# Altium PCB DRS4-PCB.PcbDoc (part 8 of 15)
Units mil, origin at the board's own origin, x right, y up, seen from the top; angles counter-clockwise.
Board outline 12350 x 7411.06 mil, 12 copper layers (Top Layer, Ground Layer 2, Signal Layer 3, Signal Layer 4, Ground Layer 5, Power Layer 6, Ground Layer 7, Ground Layer 8, Power Layer 9, Power Layer 10, Ground Layer 11, Bottom Layer), stack 61.6 mil thick; 1264 components, 1069 nets, 3958 pads, 2329 vias.
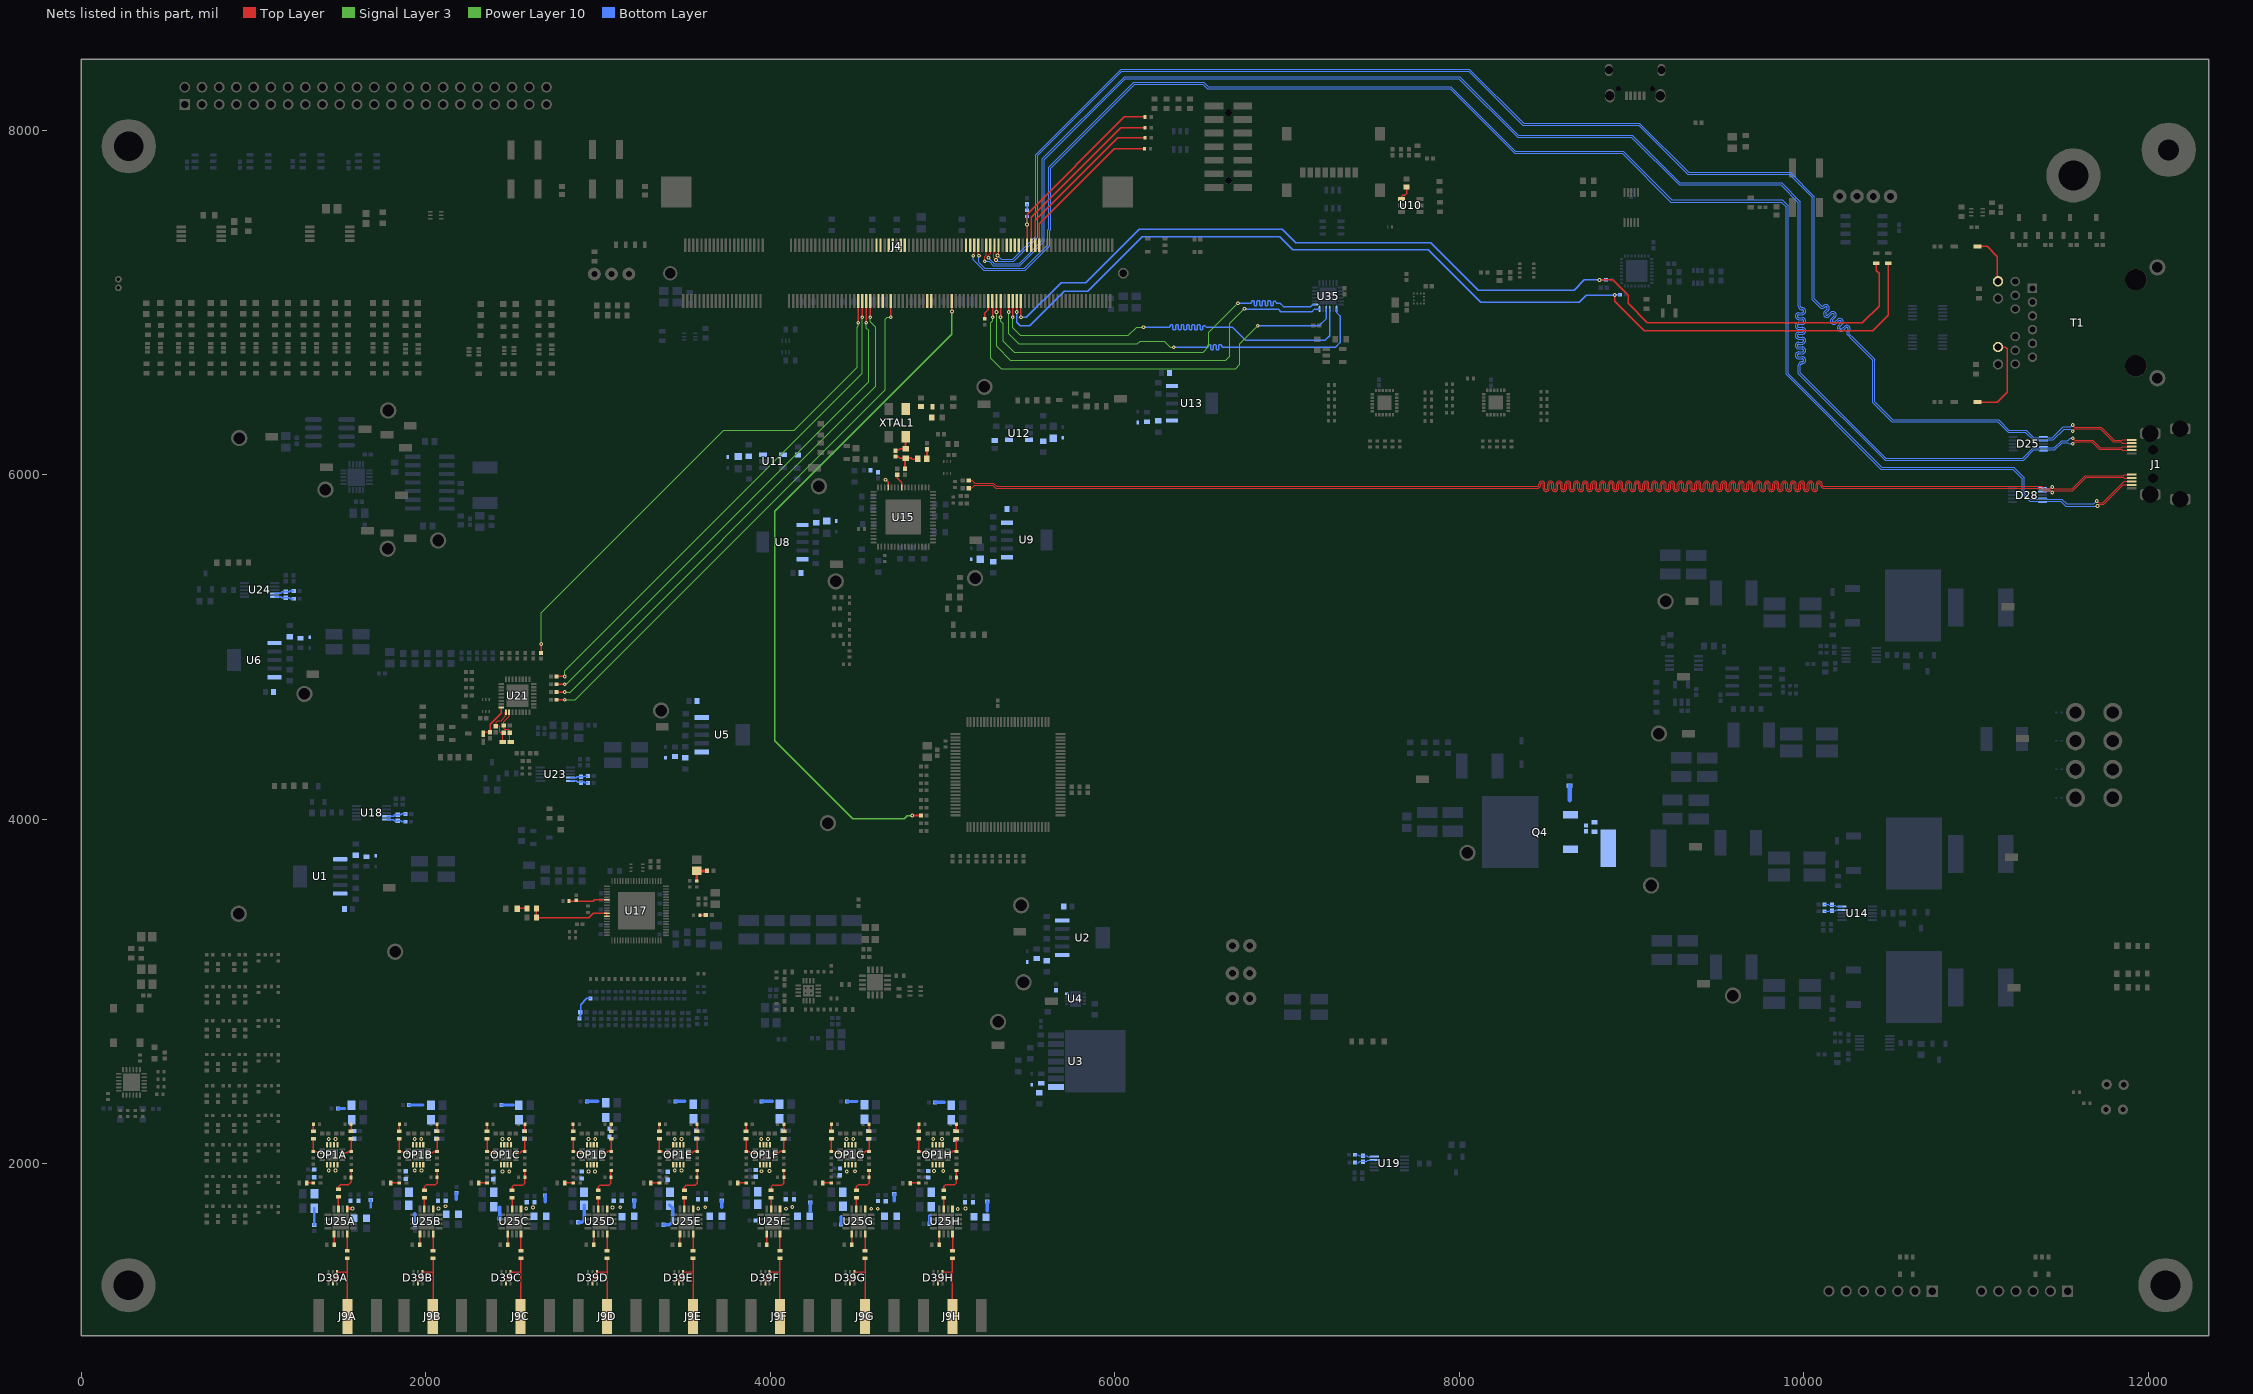
[diagram p18: the nets of this part, all layers, seen from the top]

## Via types
v1: diameter 21.65, hole 10, Top Layer to Bottom Layer, 2294 vias
v2: diameter 25, hole 15, Top Layer to Bottom Layer, 16 vias
v3: diameter 19, hole 8, Top Layer to Bottom Layer, 12 vias
v4: diameter 40, hole 28, Top Layer to Bottom Layer, 3 vias
v5: diameter 30, hole 20, Top Layer to Bottom Layer, 2 vias
v6: diameter 27.56, hole 10, Top Layer to Bottom Layer, 1 vias
v7: diameter 18, hole 10, Top Layer to Bottom Layer, 1 vias

## Nets (pads, with @x,y where several pads share a name; then routed paths per layer and width w, separated by ;. In a path a pad name is that pad's centre, name@x,y a point inside that pad or via, vN(x,y) a via of type N, cw(c..) or ccw(c..) an arc to the next point about the centre after c; other vN are vias at no path point) (continued)
IO_B35_L3_N: D25.1 J1.10 J4.144 | length 9080.7
  Top Layer w5.08: v1(5318,7273) 5321.17,7276.17 5321.17,7282.98 5325.17,7286.98 5325.17,7330.36 J4.144@5324.41,7331.12 ; v1(11561.11,6288) 11561.11,6287.94 11573.52,6275.54 11725.79,6275.54 11801.29,6200.04 11843.04,6200.04 11847,6204 J1.10@11890,6204
  Bottom Layer w6.73: v1(5318,7273) 5340,7251 5407.41,7251 5540.27,7383.86 5540.27,7858.86 6036.14,8354.73 8058.45,8354.73 8372.19,8041 9044.59,8041 9330.16,7755.44 9919.56,7755.44 10060,7615 10060,7021 10094,6987 10100.5,6980.5 ccw(c10106.44,6986.39) 10112.38,6980.49 10115.16,6983.27 10115.4,6983.27 cw(c10127.66,6967.34) 10141.87,6981.56 cw(c10127.66,6967.34) 10141.85,6953.11 10127.9,6939.16 ccw(c10133.78,6933.21) 10127.85,6927.31 ; 10127.88,6927.28 ccw(c10133.78,6933.21) 10139.7,6927.3 ; 10139.73,6927.33 10155.42,6943.02 10155.66,6943.02 cw(c10167.91,6927.09) 10182.13,6941.3 cw(c10167.91,6927.09) 10182.11,6912.86 10168.16,6898.91 ccw(c10174.04,6892.96) 10168.11,6887.06 ; 10168.14,6887.03 ccw(c10174.04,6892.96) 10179.96,6887.04 ; 10179.98,6887.07 10195.68,6902.76 10195.92,6902.76 cw(c10208.17,6886.83) 10222.38,6901.04 cw(c10208.17,6886.83) 10222.36,6872.6 10208.42,6858.65 ccw(c10214.3,6852.7) 10208.37,6846.8 ; 10208.4,6846.77 ccw(c10214.3,6852.7) 10220.21,6846.79 ; 10220.24,6846.81 10235.93,6862.51 10236.17,6862.51 cw(c10248.43,6846.57) 10262.64,6860.79 cw(c10248.43,6846.57) 10262.62,6832.34 10261.58,6831.31 ; 10261.57,6819.43 cw(c10267.47,6825.36) 10261.57,6831.29 ; 10261.58,6819.42 10286.64,6794.36 10293.18,6787.82 10411.39,6669.61 10411.39,6423.3 10514.95,6319.73 11129.86,6319.73 11190.16,6259.44 11290.56,6259.44 11335.61,6214.39 11364.58,6214.39 11368.55,6218.37 D25.1@11390.6,6218.37 11412.64,6218.37 11416.62,6214.39 11442.51,6214.39 11505.12,6277 11550.11,6277 v1(11561.11,6288)
IO_B35_L3_P: D25.2 J1.9 J4.142 | length 9115
  Top Layer w5.08: J4.142@5300.79,7331.12 5300.15,7330.48 5300.15,7286.98 5296.33,7283.15 5296.33,7260.19 v1(5310.08,7246.44) ; v1(11561,6253) 11561.06,6253 11573.52,6265.46 11721.61,6265.46 11797.11,6189.96 11842.04,6189.96 11848,6184 J1.9@11890,6184
  Bottom Layer w6.73: v1(5310.08,7246.44) 5310.08,7245.76 5316.57,7239.27 5412.27,7239.27 5552,7379 5552,7854 6041,8343 8053.59,8343 8367.33,8029.27 9039.73,8029.27 9325.3,7743.7 9914.7,7743.7 10048.27,7610.14 10048.27,7016.14 10085.7,6978.7 10092.2,6972.21 ; 10092.24,6972.16 ccw(c10106.44,6986.39) 10120.67,6972.19 10121.71,6973.23 ; 10121.73,6973.24 cw(c10127.66,6967.34) 10133.55,6973.28 ; 10133.55,6961.4 10117.85,6945.71 10117.85,6945.47 ccw(c10133.78,6933.21) 10148.02,6919.02 ; 10133.57,6961.43 ccw(c10127.66,6967.34) 10133.6,6973.24 ; 10148.02,6919.03 10161.96,6932.97 ; 10161.98,6932.99 cw(c10167.91,6927.09) 10173.81,6933.03 ; 10173.8,6921.14 10158.11,6905.45 10158.11,6905.21 ccw(c10174.04,6892.96) 10188.27,6878.76 ; 10173.83,6921.17 ccw(c10167.91,6927.09) 10173.85,6932.98 ; 10188.28,6878.77 10202.22,6892.71 ; 10202.24,6892.73 cw(c10208.17,6886.83) 10214.06,6892.77 ; 10214.06,6880.89 10198.37,6865.2 10198.37,6864.96 ccw(c10214.3,6852.7) 10228.53,6838.51 10242.48,6852.46 cw(c10248.43,6846.57) 10254.32,6852.51 ; 10214.09,6880.92 ccw(c10208.17,6886.83) 10214.11,6892.72 ; 10254.32,6840.63 10253.27,6839.59 ccw(c10267.47,6825.36) 10253.27,6811.13 10278.34,6786.06 10284.89,6779.52 10399.65,6664.75 10399.65,6418.44 10510.09,6308 11125,6308 11185.3,6247.7 11285.7,6247.7 11330.75,6202.66 11364.58,6202.66 11368.55,6198.69 D25.2@11390.6,6198.69 11412.64,6198.69 11416.62,6202.66 11447.37,6202.66 11509.98,6265.27 11548.73,6265.27 v1(11561,6253) ; 10254.34,6840.66 ccw(c10248.43,6846.57) 10254.37,6852.47
IO_B35_L5_N: D25.4 J1.8 J4.140 | length 9401.3
  Top Layer w5.08: v1(5266,7259) 5266,7274.29 5278,7286.29 J4.140@5278,7313 ; v1(11561.11,6211) 11572.07,6200.04 11676.21,6200.04 11719.25,6157 11843,6157 11849,6163 J1.8@11896,6163
  Bottom Layer w6.73: v1(5266,7259) 5300,7225 5444,7225 5579.27,7360.27 5579.27,7834.27 6056,8311 8002.33,8311 8342.33,7971 9003,7971 9280,7694 9871,7694 9980,7585 9980,6987 9980,6977.77 ccw(c9988.37,6977.77) 9988.37,6969.4 9989.9,6969.4 cw(c9989.9,6949.3) 9989.9,6929.2 9970.1,6929.2 ccw(c9970.1,6920.84) 9970.1,6912.47 9989.9,6912.47 cw(c9989.9,6892.37) 9989.9,6872.27 9970.1,6872.27 ccw(c9970.1,6863.9) 9970.1,6855.54 9989.9,6855.54 cw(c9989.9,6835.44) 9989.9,6815.34 9970.1,6815.34 ccw(c9970.1,6806.97) 9970.1,6798.61 9989.9,6798.61 cw(c9989.9,6778.51) 9989.9,6758.41 9970.1,6758.41 ccw(c9970.1,6750.04) 9970.1,6741.68 9989.9,6741.68 cw(c9989.9,6721.58) 9989.9,6701.48 9970.1,6701.48 ccw(c9970.1,6693.11) 9970.1,6684.74 9989.9,6684.74 cw(c9989.9,6664.65) 9989.9,6644.55 9988.37,6644.55 ccw(c9988.37,6636.18) 9980,6636.18 9980,6603 9980,6592 10475.7,6096.3 11271.7,6096.3 11330.75,6155.34 11364.58,6155.34 11368.55,6159.31 D25.4@11390.6,6159.31 11412.64,6159.31 11416.62,6155.34 11452.75,6155.34 11495.64,6198.23 11532.83,6198.23 11545.6,6211 v1(11561.11,6211)
IO_B35_L5_P: D25.5 J1.7 J4.138 | length 9435.9
  Top Layer w5.08: v1(5244,7239.27) 5244,7265.46 5254,7275.46 J4.138@5254,7313 ; v1(11561.11,6179) 11572.07,6189.96 11672.04,6189.96 11715.08,6146.92 11844.08,6146.92 11848,6143 J1.7@11896,6143
  Bottom Layer w6.73: v1(5244,7239.27) 5269.14,7239.27 5295.14,7213.27 5448.86,7213.27 5591,7355.41 5591,7829.41 6060.86,8299.27 7997.47,8299.27 8337.47,7959.27 8998.14,7959.27 9275.14,7682.27 9866.14,7682.27 9968.27,7580.14 9968.27,6987 9968.27,6977.77 ccw(c9988.37,6977.77) 9988.37,6957.67 9989.9,6957.67 cw(c9989.9,6949.3) 9989.9,6940.93 9970.1,6940.93 ccw(c9970.1,6920.84) 9970.1,6900.74 9989.9,6900.74 cw(c9989.9,6892.37) 9989.9,6884 9970.1,6884 ccw(c9970.1,6863.9) 9970.1,6843.81 9989.9,6843.81 cw(c9989.9,6835.44) 9989.9,6827.07 9970.1,6827.07 ccw(c9970.1,6806.97) 9970.1,6786.87 9989.9,6786.87 cw(c9989.9,6778.51) 9989.9,6770.14 9970.1,6770.14 ccw(c9970.1,6750.04) 9970.1,6729.94 9989.9,6729.94 cw(c9989.9,6721.58) 9989.9,6713.21 9970.1,6713.21 ccw(c9970.1,6693.11) 9970.1,6673.01 9989.9,6673.01 cw(c9989.9,6664.65) 9989.9,6656.28 9988.37,6656.28 ccw(c9988.37,6636.18) 9968.27,6636.18 9968.27,6603 9968.27,6587.14 10470.84,6084.56 11276.56,6084.56 11335.61,6143.61 11364.58,6143.61 11368.55,6139.63 D25.5@11390.6,6139.63 11412.64,6139.63 11416.62,6143.61 11457.61,6143.61 11500.5,6186.5 11532.5,6186.5 11540,6179 v1(11561.11,6179)
IO_B35_L6_N: D28.4 J1.3 J4.134 | length 9200.4
  Top Layer w5.08: J4.134@5206,7317 5206,7275.9 5210.9,7271 v1(5210.98,7271) ; v1(11699.4,5847) 11701.33,5847 11710.66,5837.67 11735.67,5837.67 11858.62,5960.62 J1.3@11903.7,5960.62
  Bottom Layer w6.73: v1(5210.98,7271) 5210.98,7232.02 5244,7199 5475,7199 5610.27,7334.27 5610.27,7420.08 5617.27,7427.08 5617.27,7783.86 6110.41,8277 6516,8277 6541,8252 7950.59,8252 8324.86,7877.73 8949.86,7877.73 9232.86,7594.73 9874.18,7594.73 9908,7560.92 9908,6587 10450.7,6044.3 11217.62,6044.3 11280,5981.92 11280,5893.34 11315,5858.34 11359.58,5858.34 11363.55,5862.31 D28.4@11385.6,5862.31 11407.64,5862.31 11411.62,5858.34 11496.42,5858.34 11524.76,5830 11682.4,5830 v1(11699.4,5847)
IO_B35_L6_P: D28.5 J1.4 J4.132 | length 9218.4
  Top Layer w5.08: v1(5178.15,7271) 5178.24,7271 5183,7275.76 J4.132@5183,7317 ; v1(11704.06,5818.27) 11706,5818.27 11715.32,5827.6 11739.85,5827.6 11854.25,5942 11902.64,5942 J1.4@11903.7,5940.94
  Bottom Layer w6.73: v1(5178.15,7271) 5178.15,7248.26 5239.14,7187.27 5479.86,7187.27 5622,7329.41 5622,7415.22 5629,7422.22 5629,7779 6115.27,8265.27 6511.14,8265.27 6536.14,8240.27 7945.73,8240.27 8320,7866 8945,7866 9228,7583 9869.32,7583 9896.27,7556.06 9896.27,6582.14 10445.84,6032.56 11212.76,6032.56 11268.27,5977.06 11268.27,5888.48 11310.14,5846.61 11359.58,5846.61 11363.55,5842.63 D28.5@11385.6,5842.63 11407.64,5842.63 11411.62,5846.61 11491.56,5846.61 11519.9,5818.27 v1(11704.06,5818.27)
IO_B35_L7_M19_P: J4.79 R146.2 | length 3012.7
  Top Layer w7.87: R146.2@2759.25,4783.3 v1(2805.58,4783.3) ; v1(4556.77,6881.89) J4.79@4556.76,7008.12
  Power Layer 10 w6.88: v1(2805.58,4783.3) 2814.53,4783.3 4569.95,6538.73 4569.95,6837.24 4556.77,6850.42 v1(4556.77,6881.89)
IO_B35_L7_M20_N: J4.81 R145.2 | length 3093.7
  Top Layer w7.87: R145.2@2759.25,4738.02 v1(2805.58,4738.02) ; v1(4580.39,6913.39) J4.81@4580.38,7008.12
  Power Layer 10 w6.88: v1(2805.58,4738.02) 2837.37,4738.02 4608.82,6509.46 4608.82,6858.24 4580.39,6886.67 v1(4580.39,6913.39)
IO_B35_L9_L19_P: J4.91 R144.2 | length 3193.3
  Top Layer w7.87: R144.2@2759.25,4692.73 v1(2805.58,4692.73) ; v1(4698.5,6913.39) J4.91@4698.48,7008.12
  Power Layer 10 w6.88: v1(2805.58,4692.73) 2867.49,4692.73 4667.61,6492.86 4667.61,6901.7 4679.3,6913.39 v1(4698.5,6913.39)
IO_B35_L11_SRCC_L16_P: J4.128
IO_B35_L11_SRCC_L17_N: J4.130
IO_B35_L13_MRCC_H16_P: J4.85
IO_B35_L13_MRCC_H17_N: J4.87
IO_B35_L15_AD12_F20_N: J4.121 R87.1 | length 4030.8
  Top Layer w9.8: J4.121@5052.78,7008.12 5051.06,7009.83 5053.69,7012.46 v1(5053.69,6947.36)
  Top Layer w10: v1(4823.04,4021.49) R87.1@4873.15,4021.49
  Power Layer 10 w8: v1(4823.04,4021.49) 4794.5,4021.49 4776.44,4003.43 4478.15,4003.43 4025.76,4455.82 4025.76,5534.04 4025.76,5787.96 5053.69,6815.89 v1(5053.69,6947.36)
IO_B35_L17_AD5_H20_N: J4.111
IO_B35_L17_AD5_J20_P: J4.109
IO_B35_L20_AD6_J14_N: J4.98
IO_B35_L20_AD6_K14_P: J4.96
IO_B35_L21_N15_P: J4.75 R149.2 | length 3044
  Top Layer w7.87: R149.2@2668.72,4965.58 2668.72,5015.88 v1(2669.88,5017.04) ; v1(4509.53,6881.89) J4.75@4509.52,7008.12
  Power Layer 10 w6.88: v1(2669.88,5017.04) 2669.88,5197.6 3729.53,6257.26 4137.46,6257.26 4502.86,6622.66 4502.86,6857.17 4509.53,6863.84 v1(4509.53,6881.89)
IO_B35_L21_N16_N: J4.77 R148.2 | length 2936.4
  Top Layer w7.87: R148.2@2759.25,4828.59 v1(2805.58,4828.59) ; v1@4533.15,6913.39 J4.77@4533.15,7008.1
  Power Layer 10 w6.88: v1(2805.58,4828.59) 2805.58,4861.48 4533.15,6589.05 v1@4533.15,6908.35
  other v1: 4533.15,6913.39
IO_B35_L22_AD7_L14_P: J4.90
IO_B35_L22_AD7_L15_N: J4.92
IO_B35_L23_M14_P: J4.84
IO_B35_L23_M15_N: J4.86
IO_MIO40_B13_L16_W10: J4.139 R36.1 | length 111.5
  Top Layer w8.72: R36.1@5243.98,6905.5 5243.97,6938.09 5265.37,6959.49 J4.139@5265.36,7008.12
IO_MIO41_B13_L16_W9: J4.141 U35.4 | length 2555.9
  Top Layer w8.72: J4.141@5289.23,7007.79 5289.6,7007.42 5289.6,6914.07 v1(5290.21,6913.46)
  Signal Layer 3 w4.8: v1(5290.21,6913.46) 5290.85,6912.82 5290.85,6893.04 5279.89,6882.07 5279.89,6675.97 5340.29,6615.57 6701.02,6615.57 6725.73,6640.28 6725.73,6759.98 6829.05,6863.3 v1(6829.05,6864)
  Bottom Layer w8.72: v1(6829.05,6864) 7184,6864 7227.6,6907.6 U35.4@7227.6,6962.19
IO_MIO42_B13_L18_W11: J4.143 U35.6 | length 2424.4
  Top Layer w8.72: v1@5312.5,6945 5312.61,6945.11 J4.143@5312.6,7008.12
  Signal Layer 3 w4.8: v1(5312.83,6945) 5312.83,6744.93 5393.86,6663.91 6644.57,6663.91 6667.01,6686.34 6667.01,6879.01 v1(6752,6964)
  Bottom Layer w8.72: v1(6752,6964) 6754.79,6961.21 6948.22,6961.21 6963.23,6946.2 7143.41,6946.2 7156.61,6959.41 7187.32,6959.41 7188.23,6960.32 U35.6@7188.23,6962.19
IO_MIO43_B13_L18_Y11: J4.145 U35.7 | length 2471.4
  Top Layer w8.72: v1@5336.47,6913.07 J4.145@5336.47,7007.79
  Signal Layer 3 w4.8: v1(5336.46,6913.74) 5336.46,6891.66 5350.8,6877.31 5350.8,6775.87 5414.96,6711.72 6513.08,6711.72 6546.24,6744.89 6546.24,6827.7 v1(6714,6995.46)
  Bottom Layer w8.72: v1(6714,6995.46) 6784,6995.46 6788.36,6995.46 6793.47,7000.57 6793.47,7006.53 6797.39,7010.46 6805.25,7010.46 6809.18,7006.53 6809.18,6984.39 6813.11,6980.46 6820.97,6980.46 6824.9,6984.39 6824.9,7006.53 6828.83,7010.46 6836.69,7010.46 6840.62,7006.53 6840.62,6984.39 6844.55,6980.46 6852.4,6980.46 6856.33,6984.39 6856.33,7006.53 6860.26,7010.46 6868.12,7010.46 6872.05,7006.53 6872.05,6984.39 6875.98,6980.46 6883.84,6980.46 6887.77,6984.39 6887.77,7006.53 6891.7,7010.46 6899.56,7010.46 6903.48,7006.53 6903.48,6984.39 6907.41,6980.46 6915.27,6980.46 6919.2,6984.39 6919.2,7003.16 6923.13,7007.09 6930.99,7007.09 6934.92,7003.16 6934.92,7000.57 6940.02,6995.46 6959.03,6995.46 6978.08,6976.41 7136.95,6976.41 7148.33,6987.79 U35.7@7162.64,6987.79
IO_MIO44_B13_L14_SRCC_Y9: J4.149 U35.1 | length 2496.1
  Top Layer w8.72: v1@5383.47,6945 J4.149@5383.46,7008.12
  Signal Layer 3 w4.8: v1(5383.7,6945) 5383.7,6816.87 5440.92,6759.65 6130.48,6759.65 6146.71,6775.87 6286.03,6775.87 6322.47,6739.44 v1(6341.78,6739.44)
  Bottom Layer w8.72: v1@6341.78,6740.11 6482.43,6740.11 6531,6740.11 6535.36,6740.11 6540.47,6745.22 6540.47,6751.19 6544.39,6755.11 6552.25,6755.11 6556.18,6751.19 6556.18,6729.04 6560.11,6725.11 6567.97,6725.11 6571.9,6729.04 6571.9,6751.19 6575.83,6755.11 6583.69,6755.11 6587.62,6751.19 6587.62,6729.04 6591.55,6725.11 6599.4,6725.11 6603.33,6729.04 6603.33,6751.19 6607.26,6755.11 6615.12,6755.11 6619.05,6751.19 6619.05,6745.22 6624.16,6740.11 6704.04,6740.11 7280.47,6740.11 7307.09,6766.73 7307.09,6921.66 7286.87,6941.88 7286.87,6961.98 U35.1@7286.65,6962.19
IO_MIO45_B13_L14_Y8: J4.151 U35.3 | length 2540.3
  Top Layer w8.72: v1@5407.33,6913.07 J4.151@5407.33,7007.79
  Signal Layer 3 w4.8: v1(5407.32,6913.74) 5407.32,6852.37 5451.09,6808.61 6078.61,6808.61 6125.52,6855.52 v1(6166.15,6855.52)
  Bottom Layer w8.72: v1(6166.15,6855.52) 6312.04,6855.52 6316.4,6855.52 6321.51,6860.63 6321.51,6866.59 6325.44,6870.52 6333.3,6870.52 6337.22,6866.59 6337.22,6844.45 6341.15,6840.52 6349.01,6840.52 6352.94,6844.45 6352.94,6866.59 6356.87,6870.52 6364.73,6870.52 6368.66,6866.59 6368.66,6844.45 6372.59,6840.52 6380.45,6840.52 6384.38,6844.45 6384.38,6866.59 6388.3,6870.52 6396.16,6870.52 6400.09,6866.59 6400.09,6844.45 6404.02,6840.52 6411.88,6840.52 6415.81,6844.45 6415.81,6866.59 6419.74,6870.52 6427.6,6870.52 6431.53,6866.59 6431.53,6844.45 6435.46,6840.52 6443.31,6840.52 6447.24,6844.45 6447.24,6866.59 6451.17,6870.52 6459.03,6870.52 6462.96,6866.59 6462.96,6844.45 6466.89,6840.52 6474.75,6840.52 6478.68,6844.45 6478.68,6866.59 6482.61,6870.52 6490.47,6870.52 6494.39,6866.59 6494.39,6845.41 6498.32,6841.48 6506.18,6841.48 6510.11,6845.41 6510.11,6860.63 6514.04,6864.56 6521.9,6864.56 6525.83,6860.63 6530.93,6855.52 6682.15,6855.52 6756.27,6781.4 7221.52,6781.4 7247.28,6807.16 U35.3@7247.28,6962.19
IO_MIO46_B13_L19_T5: J4.153 R197.2 R198.2 | length 6065.8
  Top Layer w7.87: v1@5430.71,6937.61 J4.153@5430.7,7008.12 ; v1(8901.29,7042.66) 8901.29,7007.02 9073.68,6834.64 10400.29,6834.64 10489.99,6924.34 R197.2@10489.99,7227.97
  Bottom Layer w7.87: v1@5430.71,6945 5430.71,6886.02 5451.56,6865.17 5506.1,6865.17 5707.28,7066.35 5841.37,7066.35 6157.6,7382.57 6955.96,7382.57 7031.67,7306.87 7819.28,7306.87 8123.76,7002.39 8694.69,7002.39 8734.96,7042.66 v1(8901.29,7042.66) 8903,7044.37 R198.2@8932.66,7044.37
  other v1: 5430.94,6945
IO_MIO47_B13_L19_U5: J4.155 R196.2 R199.2 | length 5919.5
  Top Layer w7.87: v1@5453.75,6920 5453.75,7007.52 J4.155@5454.32,7008.12 ; v1(8813,7130.5) 8889.55,7130.5 8979.56,7040.49 8979.56,6994.63 9091.69,6882.5 10340.02,6882.5 10436.26,6978.74 10436.26,7169.85 10421.08,7185.03 R196.2@10421.08,7227.97
  Bottom Layer w7.87: v1@5453.75,6920 5460.92,6912.83 5486.36,6912.83 5687.54,7114.01 5831.06,7114.01 6140.62,7423.57 6972.94,7423.57 7048.64,7347.86 7833.38,7347.86 8109.39,7071.85 8666.38,7071.85 8725.65,7131.12 8813,7131.12 R199.2@8851.92,7131.12
  other v1: 5454.57,6913.74
IO_MIO48_B13_L11_SRCC_U7: J4.148
IO_MIO49_B13_L11_V7: J4.150
IO_MIO50_B13_L12_MRCC_T9: J4.152
IO_MIO51_B13_L12_U10: J4.154
JTAG_TCK: J4.158 R42.1 R45.1 | length 1151.7
  Top Layer w7.87: J4.158@5490,7330.79 5490,7331.12 5490,7513.34 6053.75,8077.1 R42.1@6175.73,8077.09
  Bottom Layer w7.8: v1@5488.9,7453.63 v1(5490,7452.53) R45.1@5490,7499.68 R45.1@5490.13,7498.47
JTAG_TDI: J4.160 R44.1 | length 1041
  Top Layer w7.87: J4.160@5513.37,7331.12 5513.32,7331.17 5513.32,7494.54 6032.66,8013.88 R44.1@6175.73,8013.86
JTAG_TDO: J4.164 R43.1 | length 917.5
  Top Layer w7.87: J4.164@5560.61,7331.12 5560.8,7331.28 5560.8,7457.77 5995.97,7892.94 R43.1@6171.31,7892.94
JTAG_TMS: J4.162 R41.1 | length 982.8
  Top Layer w7.87: J4.162@5536.99,7331.12 5537.64,7331.73 5537.64,7477.52 6015.65,7955.53 R41.1@6175.73,7955.53
LED1_Green-: D31.2 T1.13 | length 284.1
  Top Layer w7.87: D31.2@11007.83,7324.93 11064.32,7324.93 11123.48,7265.77 T1.13@11123.48,7121.86
LED2_Green-: D32.2 T1.15 | length 504.3
  Top Layer w7.87: D32.2@11007.83,6421.34 11121.75,6421.34 11179.13,6478.72 11179.13,6731.88 11169.95,6741.05 T1.15@11126.83,6741.05
MCLK_N: C89.1 D28.1 J1.1 | length 9401.1
  Top Layer w5.08: C89.1@5153.13,5966.68 5169.34,5966.68 5186.02,5950 5294.97,5950 5312.97,5932 8446.11,5932 8453.69,5932 ccw(c8453.69,5939.54) 8461.23,5939.54 8461.23,5944.39 cw(c8478.84,5944.39) 8496.45,5944.39 8496.45,5919.61 ccw(c8503.99,5919.61) 8511.53,5919.61 8511.53,5944.39 cw(c8529.14,5944.39) 8546.76,5944.39 8546.76,5919.61 ccw(c8554.3,5919.61) 8561.83,5919.61 8561.83,5944.39 cw(c8579.45,5944.39) 8597.06,5944.39 8597.06,5919.61 ccw(c8604.6,5919.61) 8612.14,5919.61 8612.14,5944.39 cw(c8629.75,5944.39) 8647.37,5944.39 8647.37,5919.61 ccw(c8654.91,5919.61) 8662.44,5919.61 8662.44,5944.39 cw(c8680.06,5944.39) 8697.67,5944.39 8697.67,5919.61 ccw(c8705.21,5919.61) 8712.75,5919.61 8712.75,5944.39 cw(c8730.36,5944.39) 8747.98,5944.39 8747.98,5919.61 ccw(c8755.52,5919.61) 8763.05,5919.61 8763.05,5944.39 cw(c8780.67,5944.39) 8798.28,5944.39 8798.28,5919.61 ccw(c8805.82,5919.61) 8813.36,5919.61 8813.36,5944.39 cw(c8830.97,5944.39) 8848.59,5944.39 8848.59,5919.61 ccw(c8856.13,5919.61) 8863.66,5919.61 8863.66,5944.39 cw(c8881.28,5944.39) 8898.89,5944.39 8898.89,5919.61 ccw(c8906.43,5919.61) 8913.97,5919.61 8913.97,5944.39 cw(c8931.58,5944.39) 8949.2,5944.39 8949.2,5919.61 ccw(c8956.74,5919.61) 8964.27,5919.61 8964.27,5944.39 cw(c8981.89,5944.39) 8999.5,5944.39 8999.5,5919.61 ccw(c9007.04,5919.61) 9014.58,5919.61 9014.58,5944.39 cw(c9032.19,5944.39) 9049.81,5944.39 9049.81,5919.61 ccw(c9057.34,5919.61) 9064.88,5919.61 9064.88,5944.39 cw(c9082.5,5944.39) 9100.11,5944.39 9100.11,5919.61 ccw(c9107.65,5919.61) 9115.19,5919.61 9115.19,5944.39 cw(c9132.8,5944.39) 9150.42,5944.39 9150.42,5919.61 ccw(c9157.95,5919.61) 9165.49,5919.61 9165.49,5944.39 cw(c9183.11,5944.39) 9200.72,5944.39 9200.72,5919.61 ccw(c9208.26,5919.61) 9215.8,5919.61 9215.8,5944.39 cw(c9233.41,5944.39) 9251.03,5944.39 9251.03,5919.61 ccw(c9258.56,5919.61) 9266.1,5919.61 9266.1,5944.39 cw(c9283.72,5944.39) 9301.33,5944.39 9301.33,5919.61 ccw(c9308.87,5919.61) 9316.41,5919.61 9316.41,5944.39 cw(c9334.02,5944.39) 9351.64,5944.39 9351.64,5919.61 ccw(c9359.17,5919.61) 9366.71,5919.61 9366.71,5944.39 cw(c9384.33,5944.39) 9401.94,5944.39 9401.94,5919.61 ccw(c9409.48,5919.61) 9417.02,5919.61 9417.02,5944.39 cw(c9434.63,5944.39) 9452.24,5944.39 9452.25,5919.61 ccw(c9459.78,5919.61) 9467.32,5919.61 9467.32,5944.39 cw(c9484.94,5944.39) 9502.55,5944.39 9502.55,5919.61 ccw(c9510.09,5919.61) 9517.63,5919.61 9517.63,5944.39 cw(c9535.24,5944.39) 9552.85,5944.39 9552.85,5919.61 ccw(c9560.39,5919.61) 9567.93,5919.61 9567.93,5944.39 cw(c9585.55,5944.39) 9603.16,5944.39 9603.16,5919.61 ccw(c9610.7,5919.61) 9618.24,5919.61 9618.24,5944.39 cw(c9635.85,5944.39) 9653.46,5944.39 9653.46,5919.61 ccw(c9661,5919.61) 9668.54,5919.61 9668.54,5944.39 cw(c9686.15,5944.39) 9703.77,5944.39 9703.77,5919.61 ccw(c9711.31,5919.61) 9718.85,5919.61 9718.85,5944.39 cw(c9736.46,5944.39) 9754.07,5944.39 9754.07,5919.61 ccw(c9761.61,5919.61) 9769.15,5919.61 9769.15,5944.39 cw(c9786.76,5944.39) 9804.38,5944.39 9804.38,5919.61 ccw(c9811.92,5919.61) 9819.45,5919.61 9819.45,5944.39 cw(c9837.07,5944.39) 9854.68,5944.39 9854.68,5919.61 ccw(c9862.22,5919.61) 9869.76,5919.61 9869.76,5944.39 cw(c9887.37,5944.39) 9904.99,5944.39 9904.99,5919.61 ccw(c9912.53,5919.61) 9920.06,5919.61 9920.06,5944.39 cw(c9937.68,5944.39) 9955.29,5944.39 9955.29,5919.61 ccw(c9962.83,5919.61) 9970.37,5919.61 9970.37,5944.39 cw(c9987.98,5944.39) 10005.6,5944.39 10005.6,5919.61 ccw(c10013.14,5919.61) 10020.67,5919.61 10020.67,5944.39 cw(c10038.29,5944.39) 10055.9,5944.39 10055.9,5919.61 ccw(c10063.44,5919.61) 10070.98,5919.61 10070.98,5944.39 cw(c10088.59,5944.39) 10106.21,5944.39 10106.21,5939.54 ccw(c10113.75,5939.54) 10113.75,5932 10178.47,5932 11380.17,5932 11394.64,5917.54 11429.74,5917.54 11440.2,5928 v1(11441,5928) 11441.8,5928 11452.26,5917.54 11556.54,5917.54 11634.08,5995.08 11854.7,5995.08 11859.62,6000 J1.1@11886,6000